# Altium PCB PCB.PcbDoc (part 2 of 7)
Units mil, origin at the board's own origin, x right, y up, seen from the top; angles counter-clockwise.
Board outline 3937.01 x 2165.35 mil, 6 copper layers (Top, PWR, Signal 1, Signal 2, GND, Bottom), stack 64.961 mil thick; 271 components, 335 nets, 1191 pads, 518 vias.
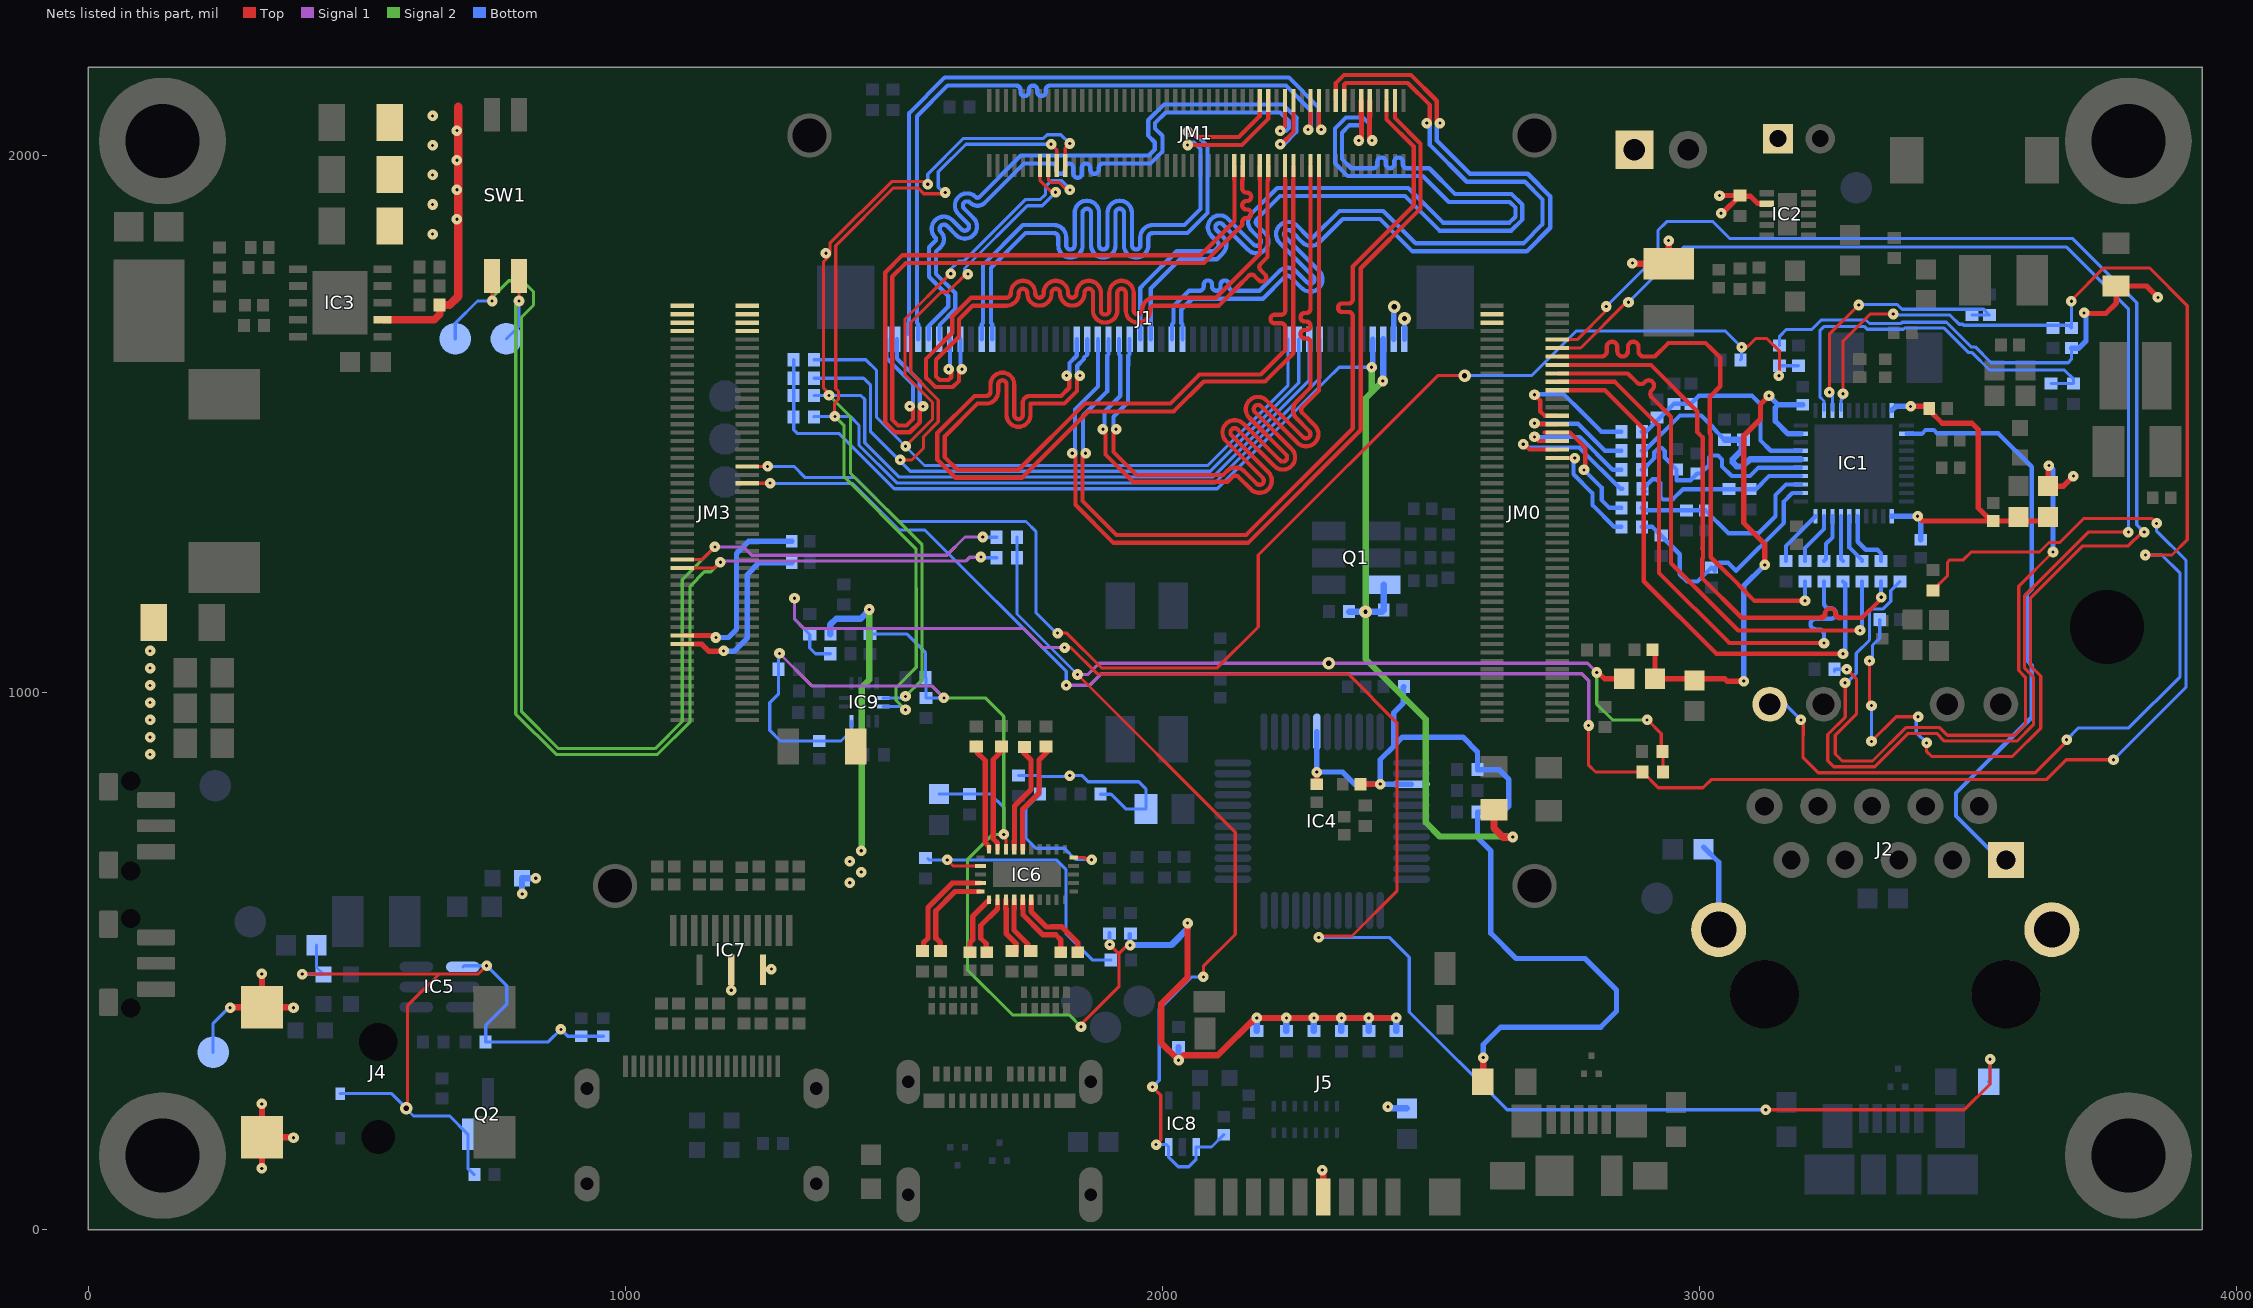
[diagram p6: the nets of this part, all layers, seen from the top]

## Via types
v1: diameter 19.68, hole 5.91, Top to Bottom, tented both sides, 378 vias
v2: diameter 19.68, hole 5.91, Top to Bottom, 128 vias
v3: diameter 23.62, hole 9.84, Top to Bottom, 7 vias
v4: diameter 23.62, hole 7.87, Top to Bottom, 5 vias

## Nets (pads, with @x,y where several pads share a name; then routed paths per layer and width w, separated by ;. In a path a pad name is that pad's centre, name@x,y a point inside that pad or via, vN(x,y) a via of type N, cw(c..) or ccw(c..) an arc to the next point about the centre after c; other vN are vias at no path point) (continued)
+3V3: C37.2 C43.1 C45.1 C86.1 IC6.8 IC9.12 J1.47 J1.48 J5.4 Q1.6 R1.1 R2.1 R3.1 R4.1 R48.2 R60.2 R61.2 R62.2 R63.2 R64.2 R65.2 R66.2 R78.2 R79.2 R80.2 R121.2 R122.2 R123.2 R126.2 R131.2 | length 6156.9
  Top w5.91: IC6.8@1708.66,708.66 v1@1708.66,727.79 ; v1(1848.52,377.97) 1844.28,377.97 1919.43,453.12 1919.43,469.34 1919.1,469.67 1919.1,513.8 ; v1(1902.05,530.86) 1919.1,513.8 ; v1(1940.02,529.68) 1934.99,529.68 1919.1,513.8
  Top w11.81: v2(2047,571) 2047.03,469.55 1998.15,420.67 1998.15,347.65 v1(2030.28,315.53) 2039.72,324.98 2103.46,324.98 2172.75,394.27 v1(2175.95,394.27) v1(2231.06,394.27) v1(2282.24,394.27) v1(2333.43,394.27) v1(2384.61,394.27) v1(2435.79,394.27) ; v1(2297.99,110.8) 2299.76,109.03 J5.4@2299.76,60.65
  Top w13.39: R48.2@2617.46,781.91 2617.46,748.02 2634.58,730.89 2652.13,730.89 v1(2652.57,731.33)
  Signal 1 w5.91: v1(1287,1073.16) 1347.94,1012.22 1571.47,1012.22 v1(1593.25,990.44)
  Signal 2 w5.91: v1(1593.25,990.44) 1670.26,990.44 1704.73,955.97 v1(1704.73,736.22) 1684.47,736.22 1637,688.74 1637,484 1721,400 1826.49,400 v1(1848.52,377.97) ; v1@2650.92,729.68 v1(2652.57,731.33)
  Signal 2 w11.81: v1(2389.76,1606.3) 2389.76,1559.63 ; v2(2410.7,1580.56) 2389.76,1559.63 ; v1@2650.92,729.68 2648.5,732.11 2516.83,732.11 2490.5,758.45 2490.5,950.46 2378.58,1062.37 v4(2378.58,1151) 2378.58,1548.45 2389.76,1559.63
  Bottom w5.91: v1(1287,1073.16) 1285.41,1071.57 R122.2@1285.41,1043.79 1285.41,998.1 1268.73,981.41 1268.73,929.87 1288.44,910.16 C86.1@1361.03,910.16 1401.49,910.16 1421.06,929.74 IC9.12@1421.06,946.85 ; R4.1@1313.44,1620.18 R3.1@1313.44,1585.63 R2.1@1313.44,1553.38 R1.1@1313.44,1513.89 1313.44,1489.8 1320.16,1483.08 1397.73,1483.08 1500.9,1379.91 2102.58,1379.91 2304.25,1581.59 2304.59,1581.59 2329.3,1606.3 v1(2389.76,1606.3) ; R121.2@1455.92,1109.57 1523.8,1109.57 1559.09,1074.28 R126.2@1559.09,1027.97 1560.12,1026.94 R123.2@1560.12,990.44 v1(1593.25,990.44) v1@1593.78,989.91 ; C43.1@1583.86,811.12 1640.75,811.12 R78.2@1640.99,811.36 1679.98,811.36 1704.73,786.61 v1(1704.73,736.22)
  Bottom w7.87: R79.2@1901.57,551.97 1901.57,531.33 v1(1902.05,530.86) ; v1@1939.55,530.15 R80.2@1939.55,550.8
  Bottom w9.84: v1(2389.76,1606.3) 2391.85,1608.39 J1.47@2391.85,1658.23
  Bottom w11.81: v1@1939.55,530.15 2017,530.15 2047,560.15 v2(2047,571) ; v1(2030.28,315.53) R60.2@2030.28,339.94 ; R61.2@2175.95,369.86 v1(2175.95,394.27) ; R62.2@2231.06,369.86 v1(2231.06,394.27) ; R63.2@2282.24,369.86 v1(2282.24,394.27) ; R64.2@2333.43,369.86 v1(2333.43,394.27) ; R131.2@2347.9,1151 v4(2378.58,1151) 2409.27,1151 C45.1@2412.27,1154 2412.18,1154.09 Q1.6@2412.18,1201 ; R65.2@2384.61,369.86 v1(2384.61,394.27) ; v2(2410.7,1580.56) 2411.53,1581.4 J1.48@2411.53,1658.23 ; v1(2420.04,228.91) 2422.99,225.96 C37.2@2455.47,225.96 ; R66.2@2435.79,369.86 v1(2435.79,394.27)
+3V3_PHY: C67.2 IC8.1 IC8.3 L4.1 L5.1 R16.2 R19.2 R31.2 R45.2 R46.1 R49.2 R50.2 R53.2 | length 5015.5
  Top w5.91: v2(1842,1034) 2135.69,740.31 2135.69,549.69 2076.54,490.54 v2(2076.54,470.65) ; v1(1981.68,265.75) 1996.96,250.47 1996.96,166.77 v1(1988.51,158.32) ; v1(2902.94,949.51) 2903.56,949.51 2929.2,923.87 2929.2,892.56 R45.2@2931.19,890.57 2932.35,889.41 R46.1@2932.35,852.26 ; v1(3274.8,1043.54) 3292.64,1025.7 3292.64,960.1 3253.39,920.84 3253.39,885.89 3266.42,872.85 3322.62,872.85 3384.84,935.07 3447.71,935.07 3462.11,920.67 3587.41,920.67 3607.52,940.78 3607.52,1029.07 3595.13,1041.45 3595.13,1198.42 v1(3658.85,1262.13)
  Top w9.84: v1(2809.13,1037.66) 2811.7,1037.66 2823.39,1025.98 L4.1@2860.32,1025.98 ; v1(3651.31,1423.12) 3649.67,1421.48 L5.1@3649.67,1384.74 3678.22,1384.74 v1(3696.92,1403.44) ; v1@3716.73,1706.92 3717.2,1706.45 3757.21,1706.45 3776.83,1726.06 R49.2@3776.83,1757.49 ; R49.2@3776.08,1757.49 R49.2@3776.83,1757.49 ; v2(3854.33,1736.22) 3833.06,1757.49 R49.2@3776.83,1757.49
  Signal 1 w5.91: v2(1842,1034) 1861,1034 1882,1055 v3(2310,1055) 2791.8,1055 v1(2809.13,1037.66)
  Signal 2 w5.91: v1(2809.13,1037.66) 2809.13,978.87 2838.49,949.51 v1(2902.94,949.51)
  Bottom w5.91: R50.2@1729.3,1289.51 R53.2@1729.3,1251.44 1729.3,1146.7 v2(1842,1034) ; v1(1981.68,265.75) 1994.21,278.28 1994.21,410.34 2054.52,470.65 v2(2076.54,470.65) ; v1(1988.51,158.32) 2007.48,158.32 IC8.3@2011.82,153.98 2011.82,134.8 2029.49,117.13 2049.09,117.13 2063,131.04 IC8.1@2063,153.98 2091.66,153.98 C67.2@2114.64,176.97 ; R16.2@3149.67,1646.75 3149.67,1664.17 3162.01,1676.51 3209.71,1676.51 3227.29,1694.09 3310.66,1694.09 3317.12,1687.63 3375.92,1687.63 3378.15,1689.86 3460.57,1689.86 3506.22,1644.2 3513.77,1644.2 3543.42,1614.55 3687.01,1614.55 3693.19,1620.73 R19.2@3693.19,1641.83 ; R31.2@3252.18,1039.27 R31.2@3252.18,1043.76 3276.69,1043.76 3276.48,1043.54 v1(3274.8,1043.54)
  Bottom w9.84: v1(3651.31,1423.12) 3658.85,1415.59 v1(3658.85,1262.13) ; R19.2@3693.19,1641.83 3707.46,1641.83 3720.36,1654.73 v1@3720.36,1703.76
  other v1: 3716.73,1707.4
+3V3_PHY_AVDD: C1.2 C2.2 C3.2 C19.2 C20.2 C21.2 C22.2 IC1.11 IC1.29 IC1.40 L4.2 L5.2 | length 1675.9
  Top w9.84: C20.2@2913,1079.94 2917.41,1075.53 L4.2@2917.41,1025.98 3047.33,1025.98 3051.76,1021.55 v1(3082.74,1021.55) ; v1(3122.11,1238.08) 3122.11,1277.18 3082.75,1316.54 3082.75,1478.25 3114.24,1509.74 3114.24,1537.3 v1(3129.99,1553.04) ; v1(3393.77,1533.36) 3424.28,1533.36 C1.2@3428.22,1529.42 3428.22,1526.33 3452.68,1501.86 3507.94,1501.86 3519.75,1490.05 3519.75,1344.24 C22.2@3544.22,1319.78 ; v1(3406.79,1328.74) 3415.75,1319.78 C22.2@3544.22,1319.78 ; L5.2@3649.67,1327.65 3641.8,1319.78 C22.2@3547.31,1319.78 C22.2@3544.22,1319.78
  Bottom w9.84: v1(3082.74,1021.55) 3082.74,1198.71 v1(3122.11,1238.08) ; v1(3129.99,1553.04) 3146.72,1536.31 ; IC1.29@3189.04,1482.18 3165.14,1482.18 3141.8,1505.52 3141.8,1531.39 3146.72,1536.31 ; C3.2@3192.98,1536.31 3146.72,1536.31 ; IC1.11@3358.33,1328.63 3406.69,1328.63 v1(3406.79,1328.74) 3412.35,1323.18 C2.2@3412.35,1284.64 ; IC1.40@3358.33,1525.49 3366.21,1533.36 v1(3393.77,1533.36)
+5V0_DBG: C80.2 C81.2 IC4.3 IC4.42 L8.2 R68.1 R86.2 R101.1 | length 1802.2
  Top w10: C81.2@2287.77,829.7 v1(2287.77,852.26) ; C80.2@2369.22,829.75 v1(2405.88,829.75)
  Top w11.81: L8.2@2597.17,275.59 2597.74,276.16 v1(2597.74,320.38)
  Bottom w10: IC4.42@2287.77,927.2 v1(2287.77,852.26) 2335.74,852.26 2358.25,829.75 v1(2405.88,829.75) ; R68.1@2449.9,1011.25 2449,1010.35 2449,981 2431.22,963.22 2431.22,900.95 ; IC4.3@2463.95,829.75 v1(2405.88,829.75) ; v1(2597.74,320.38) 2597.74,344.64 2630.1,377.01 2816.28,377.01 2846.01,406.74 2846.01,446 2787.01,505 2659,505 2612,552 2612,705 2586.95,730.05 R86.2@2586.95,777.9 2634.68,777.9 2645.53,788.75 2645.53,838.48 2627.3,856.72 R101.1@2586.95,856.72 2586.95,890 2559.63,917.32 2447.6,917.32 2431.22,900.95 ; v1(2405.88,829.75) 2405.88,875.6 2431.22,900.95
+5V0_OTG: L11.2 R97.2 R128.2 | length 3433.8
  Top w5.91: v2(1818,1084) 1830,1084 1879,1035 2346,1035 2436.83,944.17 2436.83,630.44 2353.29,546.9 2294.04,546.9 v1(2291.45,544.32) ; v1(3123.73,223.15) 3493.48,223.15 3541.67,271.34 v1(3541.67,317.34)
  Signal 1 w5.91: v2(1315,1176) 1315,1137.49 1333.13,1119.36 1742.33,1119.36 1777.69,1084 v2(1818,1084)
  Bottom w5.91: v2(1315,1176) 1315,1136.93 R97.2@1343.45,1108.47 1343.45,1083.32 1354.1,1072.67 R128.2@1381.55,1072.67 ; v1(2291.45,544.32) 2422.68,544.32 2460,507 2460,405.42 2642.27,223.15 v1(3123.73,223.15) ; L11.2@3538.95,275.59 3541.67,278.31 v1(3541.67,317.34)
+5V0_SW: C41.2 C44.1 C65.2 C66.2 D10.A F1.1 FAN1.1 FAN2.1 IC5.1 IC6.30 IC7.13 IC7.14 J1.49 J1.50 Q2.2 R56.2 R69.2 R70.2 R71.2 R74.2 R81.1 R82.1 R117.1 R129.2 | length 2976
  Top w5.91: v1(398.31,476.06) 653.22,476.06 ; v3(592,226) 593.95,227.95 593.95,416.79 653.22,476.06 ; v1(741.58,491.64) 726,476.06 653.22,476.06 ; IC6.30@1834.65,692.91 1855.43,692.91 1859.33,689.01 v1(1868.37,689.01)
  Top w9.84: v1(1197.13,445.95) IC7.14@1197.12,484.34 ; IC7.13@1256.18,484.34 1270.94,484.34 v1(1271.93,485.32)
  Signal 2 w11.81: v1(1439.33,705.81) 1439.96,706.45 1439.96,1010.04 1454.26,1024.34 v2(1454.26,1155.06)
  Bottom w5.91: v1(398.31,476.06) 398.83,475.54 R70.2@437.48,475.54 424.8,488.22 C41.2@424.8,529.68 ; D10.A@468.98,253.35 564.65,253.35 v3(592,226) ; v3@591.5,225.5 605.35,211.65 672.91,211.65 Q2.2@706.69,177.88 706.69,114.46 R117.1@718.56,102.58 ; IC5.1@697.32,489.38 699.59,491.64 v1(741.58,491.64) 779,454.23 779,419.52 739.84,380.37 R71.2@739.84,349.61 856.55,349.61 v1(880,373.06) 892.78,360.28 C66.2@917.78,360.28 C65.2@958.94,360.28 ; R74.2@1732.28,845.67 1771.33,845.67 ; 1756.16,794.74 R82.1@1772.44,811.02 1772.44,844.55 1771.33,845.67 ; 1756.21,794.69 1746.07,784.55 1746.07,728.88 1764.55,710.4 1817.45,710.4 1838.4,689.44 v1@1866.47,689.44 ; R81.1@1885.04,811.02 1904.68,811.02 1932.06,783.65 C44.1@1969.49,783.65 ; C44.1@1969.49,783.46 C44.1@1969.49,783.65 ; 1771.33,845.67 1772.81,844.19 1826.01,844.19 v1(1827.49,845.67) 1850.73,845.67 1862.18,834.23 1956.14,834.23 1969.49,820.87 C44.1@1969.49,783.65
  Bottom w9.84: J1.49@2431.22,1658.23 2431.22,1718.22 v3(2432,1719) ; J1.50@2450.9,1658.23 2450.9,1696.9 v3(2451,1697)
  Bottom w11.81: v1(807.95,625.29) 807.57,625.67 R69.2@807.57,654.4 833.05,654.4 v1(833.18,654.53) ; R129.2@1381.71,1109.2 1381.71,1127.18 1392.54,1138.01 1438.02,1138.01 1454.26,1154.25 v2(1454.26,1155.06)
  other v1: 1417.8,645.99 1439.33,665.93 1417.8,685.87 114.69,885.08 114.69,917.23 114.69,949.37 114.69,981.52 114.69,1013.66 114.69,1045.81 114.69,1077.96
+VIN: C24.2 C30.2 C31.2 C32.2 IC2.2 IC3.2 J4.1 R51.2 R54.2 TP4.1 | length 1230.4
  Top w9.84: v2@3037.61,1925.97 v2(3037.71,1925.87) R51.2@3075.86,1925.87 R51.2@3074.68,1924.69 ; v2(3040.61,1893.14) 3043.14,1893.14 R51.2@3074.68,1924.69 ; IC2.2@3127.44,1911.16 3109.07,1911.16 3095.55,1924.69 R51.2@3074.68,1924.69
  Top w11.81: v1(263.78,413.39) 264.8,414.41 J4.1@323.15,414.41 ; v1(322.83,114.17) 323.15,114.49 J4.1@323.15,172.28 ; v1(322.83,234.25) 323.15,233.94 J4.1@323.15,172.28 ; v1(322.83,476.38) 323.15,476.06 J4.1@323.15,414.41 ; v1(381.89,171.26) 380.87,172.28 J4.1@323.15,172.28 ; v1(381.89,413.39) 380.87,414.41 J4.1@323.15,414.41 ; v1(2875.59,1800.15) 2876.63,1799.11 C24.2@2942.98,1799.11 2942.98,1841.92 v1(2942.86,1842.04)
  Top w13.78: IC3.2@547.57,1694.53 643.75,1694.53 654.18,1704.96 R54.2@654.18,1722.09
  Top w15.75: R54.2@654.18,1722.09 672.44,1722.09 688.85,1738.5 688.85,2091.64
  Bottom w5.91: TP4.1@232.18,330.43 232.18,384.06 v1@258.49,410.37
  other v1: 640.97,1854.27 686.13,1881.79 640.97,1909.3 686.13,1936.82 640.97,1964.33 686.13,1991.85 640.97,2019.37 686.13,2046.88 640.97,2074.4
BOOT_MODE_0: JM3.64 R53.1 SW1.1 TP12.1 | length 2201.7
  Top w5.91: SW1.1@801.58,1776.33 801.58,1729.83 v2(801.89,1729.51) ; JM3.64@1105.83,1232.52 1165.84,1232.52 1176.32,1243 v2(1177,1243)
  Signal 1 w5.91: v2(1177,1243) 1179.11,1245.11 1633.68,1245.11 1641,1252.44 1661.81,1252.44 v2(1662.21,1252.83)
  Signal 2 w5.91: v2(801.89,1729.51) 795.87,1723.48 795.87,960.16 870.88,885.15 1059.83,885.15 1120.44,945.76 1120.44,1198.51 1147.1,1225.18 1159.18,1225.18 v2(1177,1243)
  Bottom w5.91: TP12.1@778.48,1659.42 801.89,1682.84 v2(801.89,1729.51) ; v2(1662.21,1252.83) 1663.6,1251.44 R53.1@1691.51,1251.44
BOOT_MODE_1: JM3.62 R50.1 SW1.3 TP13.1 | length 2380.6
  Top w5.91: SW1.3@751.58,1783.92 SW1.3@751.58,1776.33 751.58,1729.63 v2(751.69,1729.51) ; JM3.62@1105.83,1248.27 1143.4,1248.27 v2(1166.81,1271.68)
  Signal 1 w5.91: v2(1166.81,1271.68) 1219.43,1271.68 1235.16,1255.94 1598.46,1255.94 1632.54,1290.02 v2(1665.68,1290.02)
  Signal 2 w5.91: v2(751.69,1729.51) 751.69,1736.3 782.67,1767.28 808.38,1767.28 828.88,1746.79 828.88,1721.88 806.69,1699.7 806.69,964.64 875.36,895.97 1055.34,895.97 1105.83,946.46 1105.83,1210.69 v2(1166.81,1271.68)
  Bottom w5.91: TP13.1@683.27,1659.42 683.27,1688.15 724.63,1729.51 v2(751.69,1729.51) ; v2(1665.68,1290.02) 1666.19,1289.51 R50.1@1691.51,1289.51
C_ENET_RD0: IC1.25 R6.1 R11.2 R35.2 | length 420.7
  Bottom w7.87: R35.2@2892.98,1415.25 2894.89,1415.25 2914.04,1434.4 2914.04,1434.87 2916.18,1437.01 2916.18,1447.71 2924.18,1455.71 2930.46,1455.71 2935.78,1450.39 2935.78,1438.02 R6.1@2957.82,1415.98 2957.82,1395.62 2983.95,1395.62 2996.13,1407.8 R11.2@2996.13,1408.16 3002.38,1408.16 3018.63,1424.41 3018.63,1438.05 3022.29,1441.72 3035.25,1441.72 3042.49,1434.48 3042.49,1421.5 3060.55,1403.44 3094.55,1403.44 3110.3,1419.19 IC1.25@3189.04,1419.19
C_ENET_RD1: IC1.24 R7.1 R12.2 R36.2 | length 357.7
  Bottom w7.87: R36.2@2899.57,1374.8 R36.2@2894.55,1379.82 2894.89,1379.82 2912.71,1397.64 2920.59,1397.64 2927.63,1390.6 2927.63,1364.86 2932.56,1359.92 2950.5,1359.92 2969.61,1379.03 R7.1@3055.18,1379.03 R12.2@3094.55,1379.03 3105.58,1379.03 3129.99,1403.44 IC1.24@3189.04,1403.44
C_ENET_RD2: IC1.23 R8.1 R13.2 R38.2 | length 376.2
  Bottom w7.87: R38.2@2892.98,1344.38 2897.7,1339.66 R8.1@2976.44,1339.66 R13.2@3011.88,1339.66 3054.4,1297.14 3110.3,1297.14 3141.8,1328.64 3141.8,1368.01 3161.48,1387.69 IC1.23@3189.04,1387.69
C_ENET_RD3: IC1.22 R9.1 R14.2 R40.2 | length 472.5
  Bottom w7.87: R40.2@2892.98,1308.95 2912.66,1308.95 R14.2@2929.2,1292.41 2963.77,1257.85 2963.77,1220.58 2976.97,1207.38 2996.92,1207.38 R9.1@3022.9,1233.36 3029.04,1227.22 3030.18,1228.36 3030.18,1234.54 3037.68,1242.04 3053.52,1242.04 3068.34,1227.22 3157.55,1316.42 3157.55,1356.33 3173.15,1371.94 IC1.22@3189.04,1371.94
C_ENET_RD_CTL: IC1.26 R15.1 R20.2 R42.2 | length 423.8
  Bottom w7.87: R42.2@2892.98,1450.68 2898.77,1450.68 2901.41,1453.33 2901.41,1453.82 2963.97,1516.38 3003.84,1516.38 3025.26,1494.96 3025.26,1493.65 3031.03,1487.89 3031.03,1487.12 3047,1471.15 R20.2@3047.31,1471.15
  Bottom w11.81: R20.2@3047.31,1471.15 R15.1@3082.74,1471.15 3079.22,1467.63 3079.22,1450.68 3078.13,1450.68 3062.38,1434.93 3062.38,1429.02 3069.92,1421.48 3081.1,1421.48 3094.55,1434.93 IC1.26@3189.04,1434.93
C_ENET_RXC: C14.2 IC1.27 R5.1 R10.2 R34.2 | length 405.8
  Bottom w7.87: R34.2@2892.98,1486.12 2900.85,1486.12 R10.2@2952.82,1538.08 R5.1@2984.32,1538.08 2999.28,1553.04 3098.49,1553.04 3114.24,1537.3 3114.24,1469.59 3133.14,1450.68 IC1.27@3189.04,1450.68
C_ENET_TD0: IC1.18 R28.2 | length 90
  Bottom w7.87: R28.2@3232.35,1245.17 3236.29,1249.11 3236.29,1277.45 3248.1,1289.26 IC1.18@3248.1,1328.63
C_ENET_TD1: IC1.17 R29.2 | length 85.1
  Bottom w7.87: IC1.17@3263.84,1328.63 3263.84,1249.11 R29.2@3267.78,1245.17
C_ENET_TD2: IC1.16 R30.2 | length 93.2
  Bottom w7.87: IC1.16@3279.59,1328.63 3279.59,1270.7 3303.22,1247.08 R30.2@3303.22,1245.17
C_ENET_TD3: IC1.15 R32.2 | length 114.2
  Bottom w7.87: IC1.15@3295.34,1328.63 3295.34,1281.11 3310.22,1266.23 3332.02,1266.23 3338.65,1259.61 R32.2@3338.65,1245.17
C_ENET_TD_CTL: IC1.19 R33.2 | length 98.1
  Bottom w7.87: R33.2@3196.92,1245.17 3196.92,1269.58 3232.35,1305.01 IC1.19@3232.35,1328.63
C_ENET_TXC: IC1.20 R27.2 | length 106.3
  Bottom w7.87: R27.2@3161.48,1245.17 3161.48,1273.52 IC1.20@3216.6,1328.63
C_TMDS_HEAC: C84.2 JM3.80 | length 363
  Top w9.84: JM3.80@1105.83,1106.54 1164.98,1106.54 v2(1168.65,1102.87)
  Bottom w9.84: v2(1168.65,1102.87) 1192.01,1102.87 1206.85,1117.71 1206.85,1259.18 1229.97,1282.3 C84.2@1310.11,1282.3
C_TMDS_HPD: C85.2 JM3.82 | length 350.4
  Top w9.84: JM3.82@1105.83,1090.79 1142,1090.79 1155.79,1077 1184,1077 v2(1183,1078)
  Bottom w9.84: v2(1183,1078) 1184,1077 1201.94,1077 1227.09,1102.15 1227.09,1220.26 1249.03,1242.2 C85.2@1310.11,1242.2
C_USB3_0_MUX1_RX_D_N: IC6.14 R132.1 | length 203.7
  Top w9.84: R132.1@1555.12,516.73 1555.12,534.48 1563.42,542.79 1563.42,600.16 1608.93,645.67 IC6.14@1661.42,645.67
C_USB3_0_MUX1_RX_D_P: IC6.15 R134.1 | length 178.8
  Top w9.84: R134.1@1586.61,516.73 1586.61,534.48 1578.26,542.83 1578.26,594.01 1614.17,629.92 IC6.15@1661.42,629.92
C_USB3_0_MUX1_TX_D_N: C50.2 IC6.16 | length 112.1
  Top w9.84: C50.2@1641.73,516.73 1641.73,534.48 1647.1,539.86 1647.1,584.11 IC6.16@1677.17,614.17
C_USB3_0_MUX1_TX_D_P: C52.2 IC6.17 | length 118.9
  Top w9.84: C52.2@1672.01,512.24 1672.01,532.62 1661.95,542.68 1661.95,566.51 1692.91,597.48 IC6.17@1692.91,614.17
C_USB3_0_MUX2_RX_D_N: IC6.18 R137.1 | length 105.6
  Top w9.84: IC6.18@1708.66,614.17 1708.66,597.48 1709.11,597.02 1709.11,551.53 1728.35,532.3 R137.1@1728.35,516.73
C_USB3_0_MUX2_RX_D_P: IC6.19 R138.1 | length 112
  Top w9.84: IC6.19@1724.41,614.17 1724.41,597.48 1723.96,597.02 1723.96,557.68 1750,531.64 R138.1@1750,513.16
C_USB3_0_MUX2_TX_D_N: C55.2 IC6.20 | length 140.7
  Top w9.84: IC6.20@1740.16,614.17 1740.16,597.48 1740.61,597.02 1740.61,586.4 1777.98,549.03 1798.86,549.03 1798.97,549.13 1801.52,549.13 1811.02,539.63 C55.2@1811.02,516.73
C_USB3_0_MUX2_TX_D_P: C56.2 IC6.21 | length 151
  Top w9.84: IC6.21@1755.91,614.17 1755.91,597.48 1755.45,597.02 1755.45,592.55 1784.13,563.87 1792.71,563.87 1792.76,563.92 1803.36,563.92 1803.42,563.98 1813.36,563.98 1842.52,534.82 C56.2@1842.52,516.73
C_USBSS_RX_N: IC6.10 R136.2 | length 206.4
  Top w9.84: R136.2@1654.85,905.77 1654.85,888.81 1670.2,873.46 1670.2,721.92 1670.55,721.57 1670.55,720.53 1677.17,713.91 IC6.10@1677.17,708.66
C_USBSS_RX_P: IC6.9 R135.2 | length 205.8
  Top w9.84: IC6.9@1692.91,708.66 1692.91,720.2 1685.04,728.07 1685.04,875.76 1698.1,888.81 R135.2@1698.1,905.77
C_USBSS_TX_N: IC6.7 R133.2 | length 215.4
  Top w9.84: IC6.7@1724.41,708.66 1724.41,723.46 1724.86,723.91 1724.86,788.73 1755.55,819.41 1755.55,874.61 1741.34,888.81 R133.2@1741.34,905.29
C_USBSS_TX_P: IC6.6 R98.2 | length 215.4
  Top w9.84: IC6.6@1740.16,708.66 1740.16,723.46 1739.7,723.91 1739.7,782.58 1770.39,813.26 1770.39,874.61 1784.59,888.81 R98.2@1784.59,905.29
CAM0_SCL: J1.40 JM1.87 R3.2 | length 1933.6
  Top w5.91: v1(1511.84,1433.53) 1533.06,1433.53 1555.12,1455.58 1555.12,1476.81 1582.84,1504.53 1582.84,1545.18 1531.5,1596.53 1531.5,1689.49 1587.8,1745.79 1599.93,1745.79 1633.76,1779.61 v1(1637.88,1779.61) ; JM1.87@1771.97,1981.73 1771.97,1954.19 1791.34,1934.82
  Bottom w5.91: R3.2@1351.24,1585.63 1443.58,1585.63 1456.77,1572.44 1456.77,1486 1530.38,1412.39 2089.12,1412.39 2254.05,1577.33 J1.40@2254.05,1658.23 ; v1@1631.41,1777.27 1631.67,1777.53 1631.67,1790.02 1748.66,1907.01 1776.25,1907.01 1801.27,1932.03 v1(1801.27,1932.18)
CAM0_SDA: J1.39 JM1.85 R4.2 | length 1952.5
  Top w5.91: v1(1521.78,1459.04) 1572.01,1509.27 1572.01,1540.7 1520.67,1592.04 1520.67,1695.96 v1@1602.55,1777.84 ; JM1.85@1787.72,1981.73 1787.72,1955.43 1792.87,1950.27 1808.23,1950.27 1820.7,1937.81 1826.77,1937.81 1826.77,1937.62 v1(1827.93,1936.46)
  Bottom w5.91: R4.2@1351.24,1620.18 1447.7,1620.18 1467.6,1600.29 1467.6,1512.81 1557.18,1423.22 2084.64,1423.22 2234.37,1572.96 J1.39@2234.37,1658.23 ; v1@1601.56,1777.84 1601.56,1784.48 1620.85,1803.76 1630.09,1803.76 1744.66,1918.33 1772.26,1918.33 1782.64,1928.71 1782.64,1943.38 1792.81,1953.55 1812.93,1953.55 1827.93,1938.55 v1(1827.93,1936.46)
  other v1: 1605.95,1780.39
CAM1_SCL: IC9.8 J1.42 JM1.83 R1.2 | length 2742.7
  Top w5.91: v1(1390.15,1514.58) 1389.6,1515.13 1389.6,1539.13 1396.97,1546.51 1396.97,1561.19 1391.79,1566.37 1391.79,1639.81 ; 1391.79,1640.41 1391.79,1832.55 1499.38,1940.14 1544.96,1940.14 1555.83,1929.27 1593.31,1929.27 v1(1595.65,1931.6) ; v1(1792.87,2021.63) 1803.47,2011.03 JM1.83@1803.47,1981.73
  Signal 2 w5.91: v1(1390.15,1514.58) 1407.32,1497.41 1407.32,1402.26 1541.14,1268.44 1541.14,1195.89 1541.7,1195.33 1541.7,1047.11 1504.01,1009.42 1504.01,985.84 v1(1521.72,968.19) v1(1521.72,968.19)
  Bottom w5.91: R1.2@1351.24,1513.89 1351.93,1514.58 v1(1390.15,1514.58) 1418.46,1514.58 1435.11,1497.93 1435.11,1461.01 1505.39,1390.74 2098.09,1390.74 2275.71,1568.36 2293.42,1586.07 2293.42,1616.7 J1.42@2293.42,1658.23 ; IC9.8@1480.12,974.41 1515.49,974.41 v1(1521.72,968.19) ; v1(1595.65,1931.6) 1592.72,1931.6 1582.83,1941.49 1582.83,1970.16 1634.3,2021.63 v1(1792.87,2021.63)
CAM1_SDA: IC9.7 J1.41 JM1.81 R2.2 | length 2773.4
  Top w5.91: v1(1373.54,1818.58) 1377.34,1818.58 1380.96,1814.95 1369.17,1803.16 1369.17,1567.35 1380.96,1555.55 v1(1379.26,1553.85) ; v1@1380.96,1818.58 1380.96,1837.03 1495.86,1951.93 1558.23,1951.93 v1(1563.17,1946.99) ; JM1.81@1819.21,1981.73 1819.21,2014.67 v1(1827.49,2022.94)
  Signal 2 w5.91: v1(1379.26,1553.85) 1419.2,1513.91 1419.2,1408.75 1552.53,1275.42 1552.53,1023.98 v1(1521.72,993.18)
  Bottom w5.91: R2.2@1351.24,1553.38 1438.87,1553.38 1445.94,1546.31 1445.94,1465.5 1509.87,1401.57 2093.61,1401.57 2273.74,1581.7 J1.41@2273.74,1658.23 ; v1@1369.54,1822.58 v1(1373.54,1818.58) ; IC9.7@1480.12,990.16 1518.7,990.16 v1(1521.72,993.18) ; v1(1563.17,1946.99) 1563.17,1965.81 1629.81,2032.45 1778.64,2032.45 1785.53,2039.34 1811.09,2039.34 v1(1827.49,2022.94)
CSI_1_CLK_N: J1.28 JM1.16 | length 1697.8
  Top w7.87: JM1.16@2338.9,2102.99 2338.9,2129.26 2338.9,2132.91 2341.66,2135.67 2457.13,2135.67 2498.27,2094.53 2498.27,2066.76 v1(2492.36,2060.86)
  Bottom w7.87: J1.28@2017.83,1658.23 2017.83,1686.26 2020.83,1689.26 2020.83,1719.9 2049.5,1748.57 2069.15,1748.57 ccw(c2069.15,1756.45) 2077.02,1756.45 2077.02,1760.02 cw(c2084.89,1760.02) 2084.89,1767.9 cw(c2084.89,1760.02) 2092.77,1760.02 2092.77,1756.45 ccw(c2100.64,1756.45) 2100.64,1748.57 ccw(c2100.64,1756.45) 2108.52,1756.45 2108.52,1760.02 cw(c2116.39,1760.02) 2116.39,1767.9 cw(c2116.39,1760.02) 2124.26,1760.02 2124.26,1756.45 ccw(c2132.14,1756.45) 2132.14,1748.57 2163.93,1748.57 2181.19,1748.57 2217.38,1784.77 cw(c2233.45,1768.71) 2249.51,1784.77 2270.04,1764.24 ccw(c2275.6,1769.82) 2281.15,1764.23 ; 2271.57,1849.23 ccw(c2276.71,1854.37) 2281.85,1849.23 2329.99,1897.37 2411.59,1897.37 2472.02,1836.94 2672.53,1836.94 2708.25,1872.66 2708.25,1918.55 2675.17,1951.63 2566.91,1951.63 2498.27,2020.27 2498.27,2054.95 v1(2492.36,2060.86) ; 2271.57,1849.24 2250.63,1870.18 ccw(c2234.56,1854.12) 2218.5,1838.06 2281.17,1775.38 ; 2281.17,1764.25 ccw(c2275.6,1769.82) 2283.47,1769.82 ccw(c2275.6,1769.82) 2281.19,1775.37